# KiCad board mtk64_R_rev2.kicad_pcb (continued)
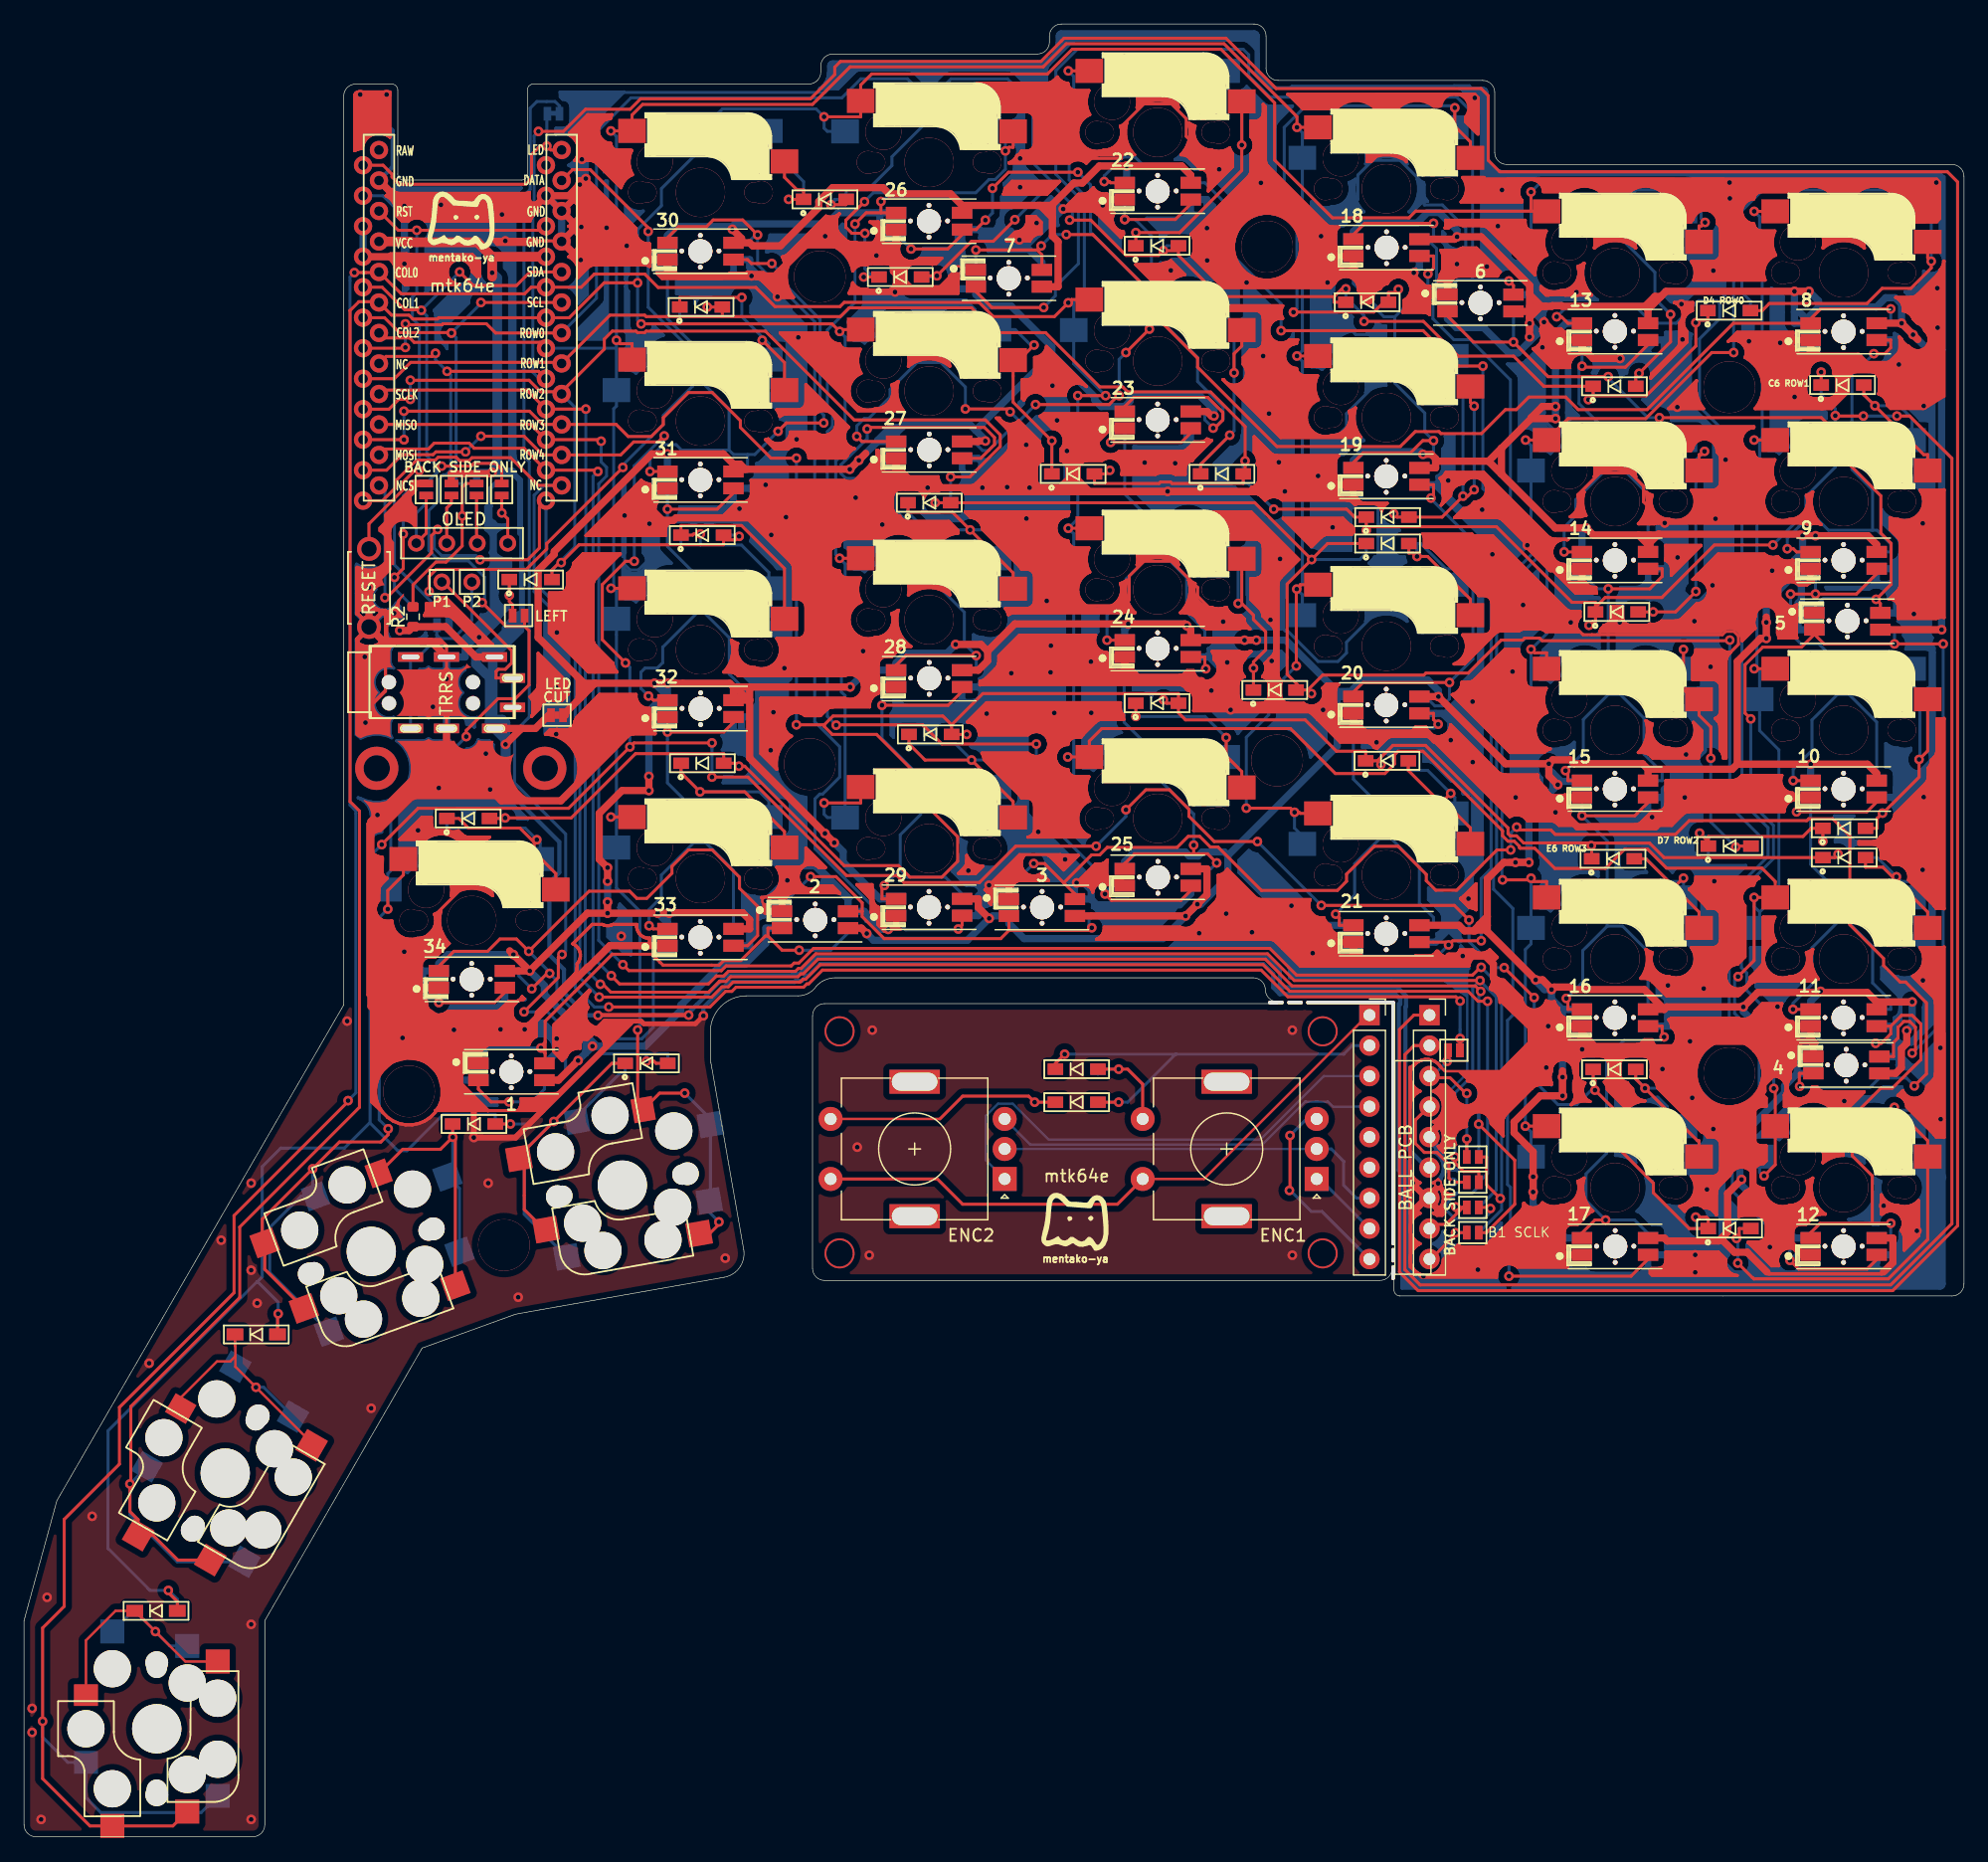
[diagram p0: board, top side]
## Routing (per net, layer and track width the routed paths; a pad name or vN(x,y) marks a point on that pad's centre or on a via; arc(x,y) is an arc through that point) (continued)
; 143.86,65.76 143.4,66.07 ; 143.4,66.07 142.9,66.28 ; 143.4,66.07 142.9,66.28 ; 128.51,123.72 128.61,123.65 ; 128.51,123.72 128.43,123.82 ; 128.51,123.72 128.43,123.82 ; 128.51,123.72 128.61,123.65 ; 128.61,123.65 128.72,123.59 ; 128.61,123.65 128.72,123.59 ; 110.35,109.36 110.44,109.29 ; 110.35,109.36 110.44,109.29 ; 110.35,109.36 110.32,109.39 ; 110.35,109.36 110.32,109.39 ; 110.44,109.29 110.55,109.23 ; 110.44,109.29 110.55,109.23 ; 144.87,121.02 144.8,121.4 ; 144.87,121.02 144.87,120.48 ; 144.87,121.02 144.87,120.48 ; 144.87,121.02 144.8,121.4 ; 144.8,121.4 148.45,121.4 ; 144.8,121.4 148.45,121.4 ; 144.8,121.4 148.45,121.4 ; 144.8,121.4 144.76,121.56 144.55,122.07 144.25,122.53 143.86,122.91 143.4,123.22 143.39,123.22 143.44,123.33 143.48,123.53 143.48,123.74 143.44,123.94 143.36,124.12 143.33,124.18 ; 144.8,121.4 148.45,121.4 ; 126.7,132.19 126.86,131.8 ; 126.7,132.19 126.62,132.61 ; 126.7,132.19 126.62,132.61 ; 126.7,132.19 126.86,131.8 ; 126.86,131.8 126.9,131.75 ; 126.86,131.8 126.9,131.75 ; 128.84,123.55 128.96,123.54 ; 128.84,123.55 128.72,123.59 ; 128.84,123.55 128.72,123.59 ; 128.84,123.55 128.96,123.54 ; 128.96,123.54 129.52,123.54 ; 128.96,123.54 129.52,123.54 ; 129.98,112.02 129.98,112.01 ; 129.98,112.02 129.76,111.87 ; 129.98,112.02 129.76,111.87 ; 129.98,112.02 129.98,112.01 ; 129.98,112.01 129.88,111.49 ; 129.98,112.01 129.88,111.49 ; 73.6,131.26 73.8,131.22 ; 73.6,131.26 73.41,131.34 ; 73.6,131.26 73.8,131.22 ; 73.6,131.26 73.41,131.34 ; 73.8,131.22 74.01,131.22 ; 73.8,131.22 74.01,131.22 ; 98.68,77.19 98.74,77.34 ; 98.68,77.19 98.56,77.02 ; 98.68,77.19 98.56,77.02 ; 98.68,77.19 98.74,77.34 ; 98.74,77.34 99.19,77.79 ; 98.74,77.34 99.19,77.79 ; 63.02,99.03 62.96,99.34 ; 63.02,99.03 62.96,99.34 ; 68.03,107.85 67.97,107.74 ; 68.03,107.85 68.11,107.95 ; 68.03,107.85 68.11,107.95 ; 68.03,107.85 67.97,107.74 ; 67.97,107.74 67.93,107.62 ; 67.97,107.74 67.93,107.62 ; 129.88,130.54 129.88,130.01 ; 129.88,130.54 129.98,131.06 ; 129.88,130.54 129.98,131.06 ; 129.88,130.54 129.88,130.01 ; 129.88,130.01 129.98,129.49 ; 129.88,130.01 129.98,129.49 ; 47.48,104.6 47.45,104.51 ; 47.48,104.6 47.55,104.73 ; 47.48,104.6 47.45,104.51 ; 47.48,104.6 47.55,104.73 ; 47.45,104.51 47.43,104.46 ; 47.45,104.51 47.43,104.46 ; 85.15,90.37 85.26,90.54 ; 85.15,90.37 85,90.22 ; 85.15,90.37 85,90.22 ; 85.15,90.37 85.26,90.54 ; 85.26,90.54 85.34,90.72 ; 85.26,90.54 85.34,90.72 ; 98.65,138.52 98.59,138.63 ; 98.65,138.52 98.69,138.4 ; 98.65,138.52 98.59,138.63 ; 98.65,138.52 98.69,138.4 ; 98.59,138.63 98.51,138.73 ; 98.59,138.63 98.51,138.73 ; 147.64,61.51 147.84,61.47 ; 147.64,61.51 147.84,61.47 ; 147.84,61.47 148.05,61.47 ; 147.84,61.47 148.05,61.47 ; 66.91,93.94 66.87,93.9 ; 66.91,93.94 66.98,93.99 ; 66.91,93.94 66.98,93.99 ; 66.91,93.94 66.87,93.9 ; 66.87,93.9 66.84,93.87 ; 66.87,93.9 66.84,93.87 ; 109.28,132.3 109.27,132.18 ; 109.28,132.3 109.31,132.38 ; 109.28,132.3 109.27,132.18 ; 109.28,132.3 109.31,132.38 ; 109.27,132.18 109.28,131.96 ; 109.27,132.18 109.28,131.96 ; 103.25,124.51 103.25,126.51 ; 103.25,124.51 103.24,124.38 ; 103.25,124.51 103.24,124.38 ; 103.25,124.51 103.25,126.51 ; 103.25,126.51 103.24,126.63 ; 103.25,126.51 103.24,126.63 ; 137.12,106.05 137.03,106.17 ; 137.12,106.05 137.03,106.17 ; 137.12,106.05 137.19,105.92 ; 137.12,106.05 137.19,105.92 ; 137.03,106.17 136.91,106.26 ; 137.03,106.17 136.91,106.26 ; 123.06,47.5 122.92,47.36 ; 123.06,47.5 123.23,47.61 ; 123.06,47.5 122.92,47.36 ; 123.06,47.5 123.23,47.61 ; 122.92,47.36 122.81,47.19 ; 122.92,47.36 122.81,47.19 ; 103.06,126.96 102.96,127.04 ; 103.06,126.96 103.14,126.86 ; 103.06,126.96 103.14,126.86 ; 103.06,126.96 102.96,127.04 ; 102.96,127.04 102.85,127.1 ; 102.96,127.04 102.85,127.1 ; 81.93,79.08 81.77,79.24 ; 81.93,79.08 81.93,78.23 ; 81.93,79.08 81.77,79.24 ; 81.93,79.08 81.93,78.23 ; 81.77,79.24 81.21,79.24 ; 81.77,79.24 81.21,79.24 ; 141.89,72.14 141.81,71.95 ; 141.89,72.14 141.81,71.95 ; 141.89,72.14 142,72.31 ; 141.89,72.14 142,72.31 ; 30.97,135.29 30.97,135.56 ; 30.97,135.29 30.94,135.13 ; 30.97,135.29 30.94,135.13 ; 30.97,135.29 30.97,135.56 ; 30.97,135.56 30.92,135.83 ; 30.97,135.56 30.92,135.83 ; 97.37,95.26 97.29,95.35 ; 97.37,95.26 97.29,95.35 ; 97.37,95.26 97.42,95.14 ; 97.37,95.26 97.42,95.14 ; 97.29,95.35 97.19,95.43 ; 97.29,95.35 97.19,95.43 ; 79.81,90.27 83.64,90.27 ; 79.81,90.27 83.64,90.27 ; 79.81,90.27 79.87,90.18 ; 79.81,90.27 79.87,90.18 ; 83.64,90.27 83.68,90.22 ; 83.64,90.27 83.68,90.22 ; 46.35,73.32 46.35,73.53 ; 46.35,73.32 46.35,73.53 ; 46.35,73.32 46.32,73.12 ; 46.35,73.32 46.32,73.12 ; 46.35,73.53 46.32,73.73 ; 46.35,73.53 46.32,73.73 ; 87.26,88.41 87.37,88.36 ; 87.26,88.41 87.16,88.49 ; 87.26,88.41 87.16,88.49 ; 87.26,88.41 87.37,88.36 ; 87.37,88.36 87.49,88.32 ; 87.37,88.36 87.49,88.32 ; 79.89,95.99 79.85,95.99 ; 79.89,95.99 79.85,95.99 ; 79.89,95.99 79.92,95.99 ; 79.89,95.99 79.92,95.99 ; 148.45,61.21 148.86,61.29 ; 148.45,61.21 148.86,61.29 ; 135.99,109.43 135.96,109.42 ; 135.99,109.43 135.96,109.42 ; 135.99,109.43 136.16,109.44 ; 135.99,109.43 136.16,109.44 ; 74.63,123.01 74.14,122.81 ; 74.63,123.01 74.14,122.81 ; 74.63,123.01 75.15,123.11 ; 74.63,123.01 75.15,123.11 ; 74.14,122.81 73.7,122.51 ; 74.14,122.81 73.7,122.51 ; 47.46,99.46 47.48,99.42 ; 47.46,99.46 47.43,99.57 ; 47.46,99.46 47.43,99.57 ; 47.46,99.46 47.48,99.42 ; 47.48,99.42 47.55,99.29 ; 47.48,99.42 47.55,99.29 ; 104.43,111.58 104.23,111.62 ; 104.43,111.58 104.62,111.51 ; 104.43,111.58 104.23,111.62 ; 104.43,111.58 104.62,111.51 ; 104.23,111.62 104.03,111.62 ; 104.23,111.62 104.03,111.62 ; 83.36,134.04 83.47,134.21 ; 83.36,134.04 83.22,133.9 ; 83.36,134.04 83.22,133.9 ; 83.36,134.04 83.47,134.21 ; 83.47,134.21 83.55,134.4 ; 83.47,134.21 83.55,134.4 ; 123.23,47.61 123.42,47.69 ; 123.23,47.61 123.42,47.69 ; 87.16,107.54 87.26,107.47 ; 87.16,107.54 87.08,107.64 ; 87.16,107.54 87.26,107.47 ; 87.16,107.54 87.08,107.64 ; 87.26,107.47 87.37,107.41 ; 87.26,107.47 87.37,107.41 ; 137.14,65.71 137.31,65.82 ; 137.14,65.71 137.31,65.82 ; 137.14,65.71 136.95,65.63 ; 137.14,65.71 136.95,65.63 ; 137.31,65.82 137.45,65.96 ; 137.31,65.82 137.45,65.96 ; 68.61,117.51 68.63,117.48 ; 68.61,117.51 68.63,117.48 ; 68.63,117.48 68.7,117.42 ; 68.63,117.48 68.7,117.42 ; 118.07,57.58 118.18,57.83 ; 118.07,57.58 117.83,57.51 ; 118.07,57.58 117.83,57.51 ; 118.07,57.58 118.18,57.83 ; 118.18,57.83 118.25,58.09 ; 118.18,57.83 118.25,58.09 ; 103.35,96.86 103.24,96.69 ; 103.35,96.86 103.24,96.69 ; 127.83,64.67 128,64.72 ; 127.83,64.67 128,64.72 ; 130.59,52.08 130.46,52.01 ; 130.59,52.08 130.72,52.12 ; 130.59,52.08 130.72,52.12 ; 130.59,52.08 130.46,52.01 ; 130.46,52.01 130.38,51.94 ; 130.46,52.01 130.38,51.94 ; 145.06,49.84 144.98,49.74 ; 145.06,49.84 144.98,49.74 ; 150.43,137.01 150.08,137.25 ; 150.43,137.01 150.08,137.25 ; 147.85,104.32 147.68,104.43 ; 147.85,104.32 147.89,104.28 ; 147.85,104.32 147.68,104.43 ; 147.85,104.32 147.89,104.28 ; 147.68,104.43 147.49,104.51 ; 147.68,104.43 147.49,104.51 ; 71.18,76.44 71.17,76.38 ; 71.18,76.44 71.33,76.6 ; 71.18,76.44 71.33,76.6 ; 71.18,76.44 71.17,76.38 ; 71.17,76.38 70.59,76.96 ; 71.17,76.38 70.59,76.96 ; 93.58,107.59 93.81,107.94 ; 93.58,107.59 93.28,107.3 ; 93.58,107.59 93.28,107.3 ; 93.58,107.59 93.81,107.94 ; 93.81,107.94 93.97,108.33 ; 93.81,107.94 93.97,108.33 ; 116.56,126.99 116.59,127 ; 116.56,126.99 116.59,127 ; 61.9,78.3 62.19,78.42 ; 61.9,78.3 61.6,78.24 ; 61.9,78.3 61.6,78.24 ; 61.9,78.3 62.19,78.42 ; 62.19,78.42 62.45,78.59 ; 62.19,78.42 62.45,78.59 ; 126.48,137.5 126.36,137.67 ; 126.48,137.5 126.56,137.31 ; 126.48,137.5 126.36,137.67 ; 126.48,137.5 126.56,137.31 ; 126.36,137.67 126.22,137.81 ; 126.36,137.67 126.22,137.81 ; 33.36,73.16 33.47,73.21 ; 33.36,73.16 33.47,73.21 ; 109.91,130.54 110.47,130.54 ; 109.91,130.54 110.47,130.54 ; 109.91,130.54 109.79,130.55 ; 109.91,130.54 109.79,130.55 ; 73.7,99.29 73.9,99.15 ; 73.7,99.29 73.9,99.15 ; 73.7,99.29 73.32,99.66 ; 73.7,99.29 73.32,99.66 ; 73.9,99.15 73.5,99.15 ; 73.9,99.15 73.5,99.15 ; 127.6,125.58 127.8,125.58 ; 127.6,125.58 127.4,125.62 ; 127.6,125.58 127.8,125.58 ; 127.6,125.58 127.4,125.62 ; 127.8,125.58 128,125.62 ; 127.8,125.58 128,125.62 ; 71.57,132.79 71.46,132.85 ; 71.57,132.79 71.46,132.85 ; 145.91,131.8 145.95,131.75 ; 145.91,131.8 145.95,131.75 ; 145.91,131.8 145.75,132.19 ; 145.91,131.8 145.75,132.19 ; 145.95,131.75 145.78,131.68 ; 145.95,131.75 145.78,131.68 ; 148.99,105.5 148.99,104.65 ; 148.99,105.5 149.01,105.5 ; 148.99,105.5 148.99,104.65 ; 148.99,105.5 149.01,105.5 ; 148.99,104.65 149.1,104.54 ; 148.99,104.65 149.1,104.54 ; 64.06,105.95 63.99,106.07 ; 64.06,105.95 63.99,106.07 ; 64.06,105.95 64.07,105.94 ; 64.06,105.95 64.07,105.94 ; 63.99,106.07 63.92,106.16 ; 63.99,106.07 63.92,106.16 ; 90.62,97.19 90.74,97.15 ; 90.62,97.19 90.74,97.15 ; 90.62,97.19 90.51,97.25 ; 90.62,97.19 90.51,97.25 ; 90.74,97.15 90.86,97.14 ; 90.74,97.15 90.86,97.14 ; 118.07,52.5 118.18,52.75 ; 118.07,52.5 118.18,52.75 ; 118.07,52.5 117.83,52.43 ; 118.07,52.5 117.83,52.43 ; 118.18,52.75 118.25,53.01 ; 118.18,52.75 118.25,53.01 ; 150.92,121.76 150.97,121.64 ; 150.92,121.76 150.97,121.64 ; 154.43,83 154.32,82.94 ; 154.43,83 154.32,82.94 ; 90.22,117.83 90.22,117.61 ; 90.22,117.83 90.22,117.61 ; 90.22,117.61 90.38,117.45 ; 90.22,117.61 90.38,117.45 ; 99.27,97.95 99.15,98.07 ; 99.27,97.95 99.15,98.07 ; 111.13,129.24 111.05,129.43 ; 111.13,129.24 111.17,129.04 ; 111.13,129.24 111.17,129.04 ; 111.13,129.24 111.05,129.43 ; 111.05,129.43 110.94,129.6 ; 111.05,129.43 110.94,129.6 ; 117.01,46.75 117.27,46.8 ; 117.01,46.75 117.27,46.8 ; 62.2,130.02 62,130.06 ; 62.2,130.02 62,130.06 ; 102.46,141.22 102.38,141.41 ; 102.46,141.22 102.5,141.02 ; 102.46,141.22 102.5,141.02 ; 102.46,141.22 102.38,141.41 ; 102.38,141.41 102.26,141.58 ; 102.38,141.41 102.26,141.58 ; 65.1,102.7 65.04,102.81 ; 65.1,102.7 65.14,102.58 ; 65.1,102.7 65.14,102.58 ; 65.1,102.7 65.04,102.81 ; 65.04,102.81 64.96,102.91 ; 65.04,102.81 64.96,102.91 ; 123.31,59.96 123.28,59.9 ; 123.31,59.96 123.37,60.07 ; 123.31,59.96 123.37,60.07 ; 123.31,59.96 123.28,59.9 ; 123.28,59.9 123.23,59.73 ; 123.28,59.9 123.23,59.73 ; 109.33,129.6 109.22,129.43 ; 109.33,129.6 109.48,129.74 ; 109.33,129.6 109.48,129.74 ; 109.33,129.6 109.22,129.43 ; 109.22,129.43 109.21,129.42 ; 109.22,129.43 109.21,129.42 ; 102.26,141.58 102.22,141.62 ; 102.26,141.58 102.22,141.62 ; 102.22,141.62 102.22,142.92 ; 102.22,141.62 102.22,142.92 ; 118.55,57.43 118.41,57.29 ; 118.55,57.43 118.72,57.54 ; 118.55,57.43 118.41,57.29 ; 118.55,57.43 118.72,57.54 ; 118.41,57.29 118.29,57.12 ; 118.41,57.29 118.29,57.12 ; 110.74,111.13 110.76,111.1 ; 110.74,111.13 110.76,111.1 ; 66.02,80.89 65.83,80.97 ; 66.02,80.89 66.19,80.78 ; 66.02,80.89 66.19,80.78 ; 66.02,80.89 65.83,80.97 ; 65.83,80.97 65.63,81.01 ; 65.83,80.97 65.63,81.01 ; 111.32,73.09 111.44,73.03 ; 111.32,73.09 111.22,73.18 ; 111.32,73.09 111.22,73.18 ; 111.32,73.09 111.44,73.03 ; 111.44,73.03 111.57,72.99 ; 111.44,73.03 111.57,72.99 ; 119.5,73.63 119.61,73.8 ; 119.5,73.63 119.61,73.8 ; 119.5,73.63 119.35,73.49 ; 119.5,73.63 119.35,73.49 ; 119.61,73.8 119.64,73.87 ; 119.61,73.8 119.64,73.87 ; 98.7,138.28 98.69,138.4 ; 98.7,138.28 98.7,137.28 ; 98.7,138.28 98.69,138.4 ; 98.7,138.28 98.7,137.28 ; 69.04,129.44 69.16,129.27 ; 69.04,129.44 69.04,129.44 ; 69.04,129.44 69.16,129.27 ; 69.04,129.44 69.04,129.44 ; 69.16,129.27 69.3,129.12 ; 69.16,129.27 69.3,129.12 ; 126.59,137.11 126.56,137.31 ; 126.59,137.11 126.59,137.03 ; 126.59,137.11 126.56,137.31 ; 126.59,137.11 126.59,137.03 ; 118.07,113.05 118.14,112.92 ; 118.07,113.05 118.14,112.92 ; 62.67,78.81 62.45,78.59 ; 62.67,78.81 62.45,78.59 ; 159.25,63.4 159.26,63.51 ; 159.25,63.4 159.26,63.51 ; 159.25,63.4 159.21,63.26 ; 159.25,63.4 159.21,63.26 ; 159.26,63.51 159.27,63.55 ; 159.26,63.51 159.27,63.55 ; 71.33,107.93 71.31,107.95 ; 71.33,107.93 71.51,108.11 ; 71.33,107.93 71.51,108.11 ; 71.33,107.93 71.31,107.95 ; 71.31,107.95 71.21,108.03 ; 71.31,107.95 71.21,108.03 ; 60.43,96.72 60.38,96.71 ; 60.43,96.72 60.38,96.71 ; 60.43,96.72 60.48,96.71 ; 60.43,96.72 60.48,96.71 ; 60.38,96.71 59.5,96.71 ; 60.38,96.71 59.5,96.71 ; 69.63,96.44 69.49,96.58 ; 69.63,96.44 69.49,96.58 ; 69.63,96.44 69.75,96.27 ; 69.63,96.44 69.75,96.27 ; 69.49,96.58 69.32,96.69 ; 69.49,96.58 69.32,96.69 ; 87.82,135.43 87.78,135.47 ; 87.82,135.43 87.78,135.47 ; 87.82,135.43 88.84,135.43 ; 87.82,135.43 88.84,135.43 ; 87.78,135.47 87.61,135.58 ; 87.78,135.47 87.61,135.58 ; 134.94,66.29 134.99,66.39 ; 134.94,66.29 134.99,66.39 ; 134.99,66.39 135.64,66.39 ; 134.99,66.39 135.64,66.39 ; 62.02,116.41 62.17,116.27 ; 62.02,116.41 62.17,116.27 ; 62.02,116.41 62,116.44 ; 62.02,116.41 62,116.44 ; 62.17,116.27 62.34,116.16 ; 62.17,116.27 62.34,116.16 ; 144.52,114.76 144.64,114.72 ; 144.52,114.76 144.41,114.82 ; 144.52,114.76 144.64,114.72 ; 144.52,114.76 144.41,114.82 ; 144.64,114.72 144.76,114.71 ; 144.64,114.72 144.76,114.71 ; 155.4,103.09 156.07,103.76 ; 155.4,103.09 156.07,103.76 ; 155.4,103.09 155.52,103.09 ; 155.4,103.09 155.52,103.09 ; 156.07,103.76 156.1,103.79 ; 156.07,103.76 156.1,103.79 ; 66.24,79.22 67.34,79.22 ; 66.24,79.22 67.34,79.22 ; 137.31,67.43 137.25,67.47 ; 137.31,67.43 137.45,67.28 ; 137.31,67.43 137.25,67.47 ; 137.31,67.43 137.45,67.28 ; 137.25,67.47 137.25,67.49 ; 137.25,67.47 137.25,67.49 ; 68.93,94.74 69.13,94.78 ; 68.93,94.74 69.13,94.78 ; 68.93,94.74 68.73,94.74 ; 68.93,94.74 68.73,94.74 ; 69.13,94.78 69.32,94.86 ; 69.13,94.78 69.32,94.86 ; 44.79,135.25 44.78,135.23 ; 44.79,135.25 45.58,134.46 ; 44.79,135.25 44.78,135.23 ; 44.79,135.25 45.58,134.46 ; 88.51,139.41 88.46,139.46 ; 88.51,139.41 88.46,139.46 ; 140.33,103.83 140.29,104.03 ; 140.33,103.83 140.29,104.03 ; 131.74,62.92 131.67,62.88 ; 131.74,62.92 131.67,62.88 ; 42.1,136.9 42.09,136.62 ; 42.1,136.9 42.11,136.95 ; 42.1,136.9 42.11,136.95 ; 42.1,136.9 42.09,136.62 ; 42.09,136.62 42.13,136.35 ; 42.09,136.62 42.13,136.35 ; 71.18,96.4 71.17,96.28 ; 71.18,96.4 71.21,96.48 ; 71.18,96.4 71.17,96.28 ; 71.18,96.4 71.21,96.48 ; 109.27,94.08 109.28,94.2 ; 109.27,94.08 109.28,94.2 ; 69.75,102.85 69.58,102.78 ; 69.75,102.85 69.58,102.78 ; 69.75,102.85 69.71,102.9 ; 69.75,102.85 69.71,102.9 ; 69.58,102.78 69.32,102.61 ; 69.58,102.78 69.32,102.61 ; 89.92,81.08 89.77,81.04 ; 89.92,81.08 89.77,81.04 ; 147.77,50.96 147.66,50.91 ; 147.77,50.96 147.66,50.91 ; 147.77,50.96 147.89,51 ; 147.77,50.96 147.89,51 ; 147.66,50.91 147.56,50.83 ; 147.66,50.91 147.56,50.83 ; 145.95,102.12 145.83,102.27 ; 145.95,102.12 145.83,102.27 ; 145.95,102.12 146.03,101.96 ; 145.95,102.12 146.03,101.96 ; 145.83,102.27 145.69,102.38 ; 145.83,102.27 145.69,102.38 ; 95.24,144.56 95.73,144.36 ; 95.24,144.56 95.73,144.36 ; 149.65,62.16 149.55,62.25 ; 149.65,62.16 149.55,62.25 ; 87.92,79.24 87.7,79.46 ; 87.92,79.24 87.7,79.46 ; 87.92,79.24 88.41,79.24 ; 87.92,79.24 88.41,79.24 ; 87.7,79.46 89.27,81.03 ; 87.7,79.46 89.27,81.03 ; 116.21,62.14 116.32,62.1 ; 116.21,62.14 115.99,62.29 ; 116.21,62.14 116.32,62.1 ; 116.21,62.14 115.99,62.29 ; 116.32,62.1 116.21,62.06 ; 116.32,62.1 116.21,62.06 ; 85.97,89.64 86.05,89.46 ; 85.97,89.64 85.93,89.84 ; 85.97,89.64 85.93,89.84 ; 85.97,89.64 86.05,89.46 ; 86.05,89.46 86.16,89.29 ; 86.05,89.46 86.16,89.29 ; 52.12,112.61 52.28,112.45 ; 52.12,112.61 52.12,112.69 ; 52.12,112.61 52.12,112.69 ; 52.12,112.61 52.28,112.45 ; 52.28,112.45 53.48,112.45 ; 52.28,112.45 53.48,112.45 ; 145.78,52.67 146.07,52.55 ; 145.78,52.67 146.07,52.55 ; 146.07,52.55 146.37,52.49 ; 146.07,52.55 146.37,52.49 ; 156.49,61.56 156.32,61.68 ; 156.49,61.56 156.63,61.42 ; 156.49,61.56 156.63,61.42 ; 156.49,61.56 156.32,61.68 ; 156.32,61.68 156.13,61.75 ; 156.32,61.68 156.13,61.75 ; 69.29,112.99 69.46,113.11 ; 69.29,112.99 69.46,113.11 ; 87.91,114.13 87.9,114 ; 87.91,114.13 87.9,114 ; 87.9,114 87.9,113.05 ; 87.9,114 87.9,113.05 ; 152.51,122.03 152.39,121.99 ; 152.51,122.03 152.64,122.04 ; 152.51,122.03 152.64,122.04 ; 152.51,122.03 152.39,121.99 ; 152.39,121.99 152.28,121.93 ; 152.39,121.99 152.28,121.93 ; 53.9,130.24 53.92,130.24 ; 53.9,130.24 53.92,130.24 ; 53.92,130.24 53.98,130.14 ; 53.92,130.24 53.98,130.14 ; 44.21,65.56 44.33,65.55 ; 44.21,65.56 44.18,65.56 ; 44.21,65.56 44.33,65.55 ; 44.21,65.56 44.18,65.56 ; 44.33,65.55 44.45,65.51 ; 44.33,65.55 44.45,65.51 ; 88.07,91.58 87.61,91.58 ; 88.07,91.58 87.61,91.58 ; 129.4,101.22 129.36,101.02 ; 129.4,101.22 129.36,101.02 ; 129.4,101.22 129.48,101.41 ; 129.4,101.22 129.48,101.41 ; 129.36,101.02 129.36,100.82 ; 129.36,101.02 129.36,100.82 ; 33.23,82.88 33.21,82.9 ; 33.23,82.88 33.21,82.9 ; 47.48,130.93 47.37,130.92 ; 47.48,130.93 47.52,130.93 ; 47.48,130.93 47.52,130.93 ; 47.48,130.93 47.37,130.92 ; 129.96,62.82 130.04,62.82 ; 129.96,62.82 129.84,62.86 ; 129.96,62.82 129.84,62.86 ; 129.96,62.82 130.04,62.82 ; 130.04,62.82 130.05,62.79 ; 130.04,62.82 130.05,62.79 ; 149.04,101.82 147.84,101.82 ; 149.04,101.82 147.84,101.82 ; 127.33,106.72 127.41,106.54 ; 127.33,106.72 127.29,106.92 ; 127.33,106.72 127.29,106.92 ; 127.33,106.72 127.41,106.54 ; 127.41,106.54 127.52,106.37 ; 127.41,106.54 127.52,106.37 ; 139.22,130.12 139.22,130.43 ; 139.22,130.12 139.16,129.81 ; 139.22,130.12 139.16,129.81 ; 139.22,130.12 139.22,130.43 ; 139.22,130.43 139.16,130.74 ; 139.22,130.43 139.16,130.74 ; 108.52,96.01 109.56,96.01 ; 108.52,96.01 109.56,96.01 ; 102.65,115.1 102.54,115.27 ; 102.65,115.1 102.73,114.92 ; 102.65,115.1 102.73,114.92 ; 102.65,115.1 102.54,115.27 ; 102.54,115.27 102.5,115.32 ; 102.54,115.27 102.5,115.32 ; 141.34,93.63 141.35,93.76 ; 141.34,93.63 141.35,93.76 ; 141.34,93.63 141.3,93.51 ; 141.34,93.63 141.3,93.51 ; 141.35,93.76 141.35,95.76 ; 141.35,93.76 141.35,95.76 ; 158.43,87.73 158.47,87.78 ; 158.43,87.73 158.47,87.78 ; 158.43,87.73 158.4,87.71 ; 158.43,87.73 158.4,87.71 ; 158.47,87.78 158.53,87.85 ; 158.47,87.78 158.53,87.85 ; 75.68,130.99 75.68,130.99 ; 75.68,130.99 75.76,131.02 ; 75.68,130.99 75.76,131.02 ; 75.68,130.99 75.68,130.99 ; 75.68,130.99 75.56,131.03 ; 75.68,130.99 75.56,131.03 ; 60.46,130.3 60.57,130.29 ; 60.46,130.3 60.32,130.35 ; 60.46,130.3 60.57,130.29 ; 60.46,130.3 60.32,130.35 ; 60.57,130.29 60.61,130.29 ; 60.57,130.29 60.61,130.29 ; 27.61,145.19 27.65,145.24 ; 27.61,145.19 27.58,145.13 ; 27.61,145.19 27.65,145.24 ; 27.61,145.19 27.58,145.13 ; 27.65,145.24 27.7,145.28 ; 27.65,145.24 27.7,145.28 ; 135.25,111.49 135.14,112.01 ; 135.25,111.49 135.25,110.96 ; 135.25,111.49 135.14,112.01 ; 135.25,111.49 135.25,110.96 ; 135.14,112.01 135.14,112.02 ; 135.14,112.01 135.14,112.02 ; 90.66,140.66 90.91,140.82 ; 90.66,140.66 90.39,140.55 ; 90.66,140.66 90.39,140.55 ; 90.66,140.66 90.91,140.82 ; 90.91,140.82 91.11,141.03 ; 90.91,140.82 91.11,141.03 ; 122.52,71.74 122.67,71.59 ; 122.52,71.74 122.41,71.91 ; 122.52,71.74 122.67,71.59 ; 122.52,71.74 122.41,71.91 ; 122.67,71.59 122.84,71.48 ; 122.67,71.59 122.84,71.48 ; 102.59,112.52 102.69,112.6 ; 102.59,112.52 102.48,112.46 ; 102.59,112.52 102.69,112.6 ; 102.59,112.52 102.48,112.46 ; 102.69,112.6 102.77,112.7 ; 102.69,112.6 102.77,112.7 ; 83.55,134.4 83.59,134.6 ; 83.55,134.4 83.59,134.6 ; 108.82,75.93 108.82,75.93 ; 108.82,75.93 108.8,75.94 ; 108.82,75.93 108.8,75.94 ; 108.82,75.93 108.82,75.93 ; 108.82,75.93 108.84,75.78 ; 108.82,75.93 108.84,75.78 ; 146.46,69.4 146.39,69.23 ; 146.46,69.4 144.84,69.4 ; 146.46,69.4 144.84,69.4 ; 146.46,69.4 146.39,69.23 ; 146.39,69.23 146.35,69.03 ; 146.39,69.23 146.35,69.03 ; 144.13,60.32 144.12,60.2 ; 144.13,60.32 144.17,60.44 ; 144.13,60.32 144.17,60.44 ; 144.13,60.32 144.12,60.2 ; 144.12,60.2 144.12,58.2 ; 144.12,60.2 144.12,58.2 ; 70.57,94.74 70.49,94.55 ; 70.57,94.74 70.49,94.55 ; 33.08,72.75 33.12,72.87 ; 33.08,72.75 33.12,72.87 ; 149.03,54.86 148.93,54.34 ; 149.03,54.86 148.93,54.34 ; 149.03,54.86 149.03,54.87 ; 149.03,54.86 149.03,54.87 ; 148.93,54.34 148.93,53.81 ; 148.93,54.34 148.93,53.81 ; 140.83,58.28 140.71,58.29 ; 140.83,58.28 140.71,58.29 ; 86.64,112.52 86.74,112.6 ; 86.64,112.52 86.74,112.6 ; 86.74,112.6 86.82,112.7 ; 86.74,112.6 86.82,112.7 ; 72.9,98.91 72.31,98.31 ; 72.9,98.91 72.92,98.93 ; 72.9,98.91 72.31,98.31 ; 72.9,98.91 72.92,98.93 